# Altium PCB high-spped-thermocouple-logger-2ch.PcbDoc (part 3 of 3)
Units mm, origin at the board's own origin, x right, y up, seen from the top; angles counter-clockwise.
Board outline 200 x 100 mm, 4 copper layers (Top Layer, GND Layer, VCC Layer, Bottom Layer), stack 1.55 mm thick; 229 components, 201 nets, 660 pads, 226 vias.
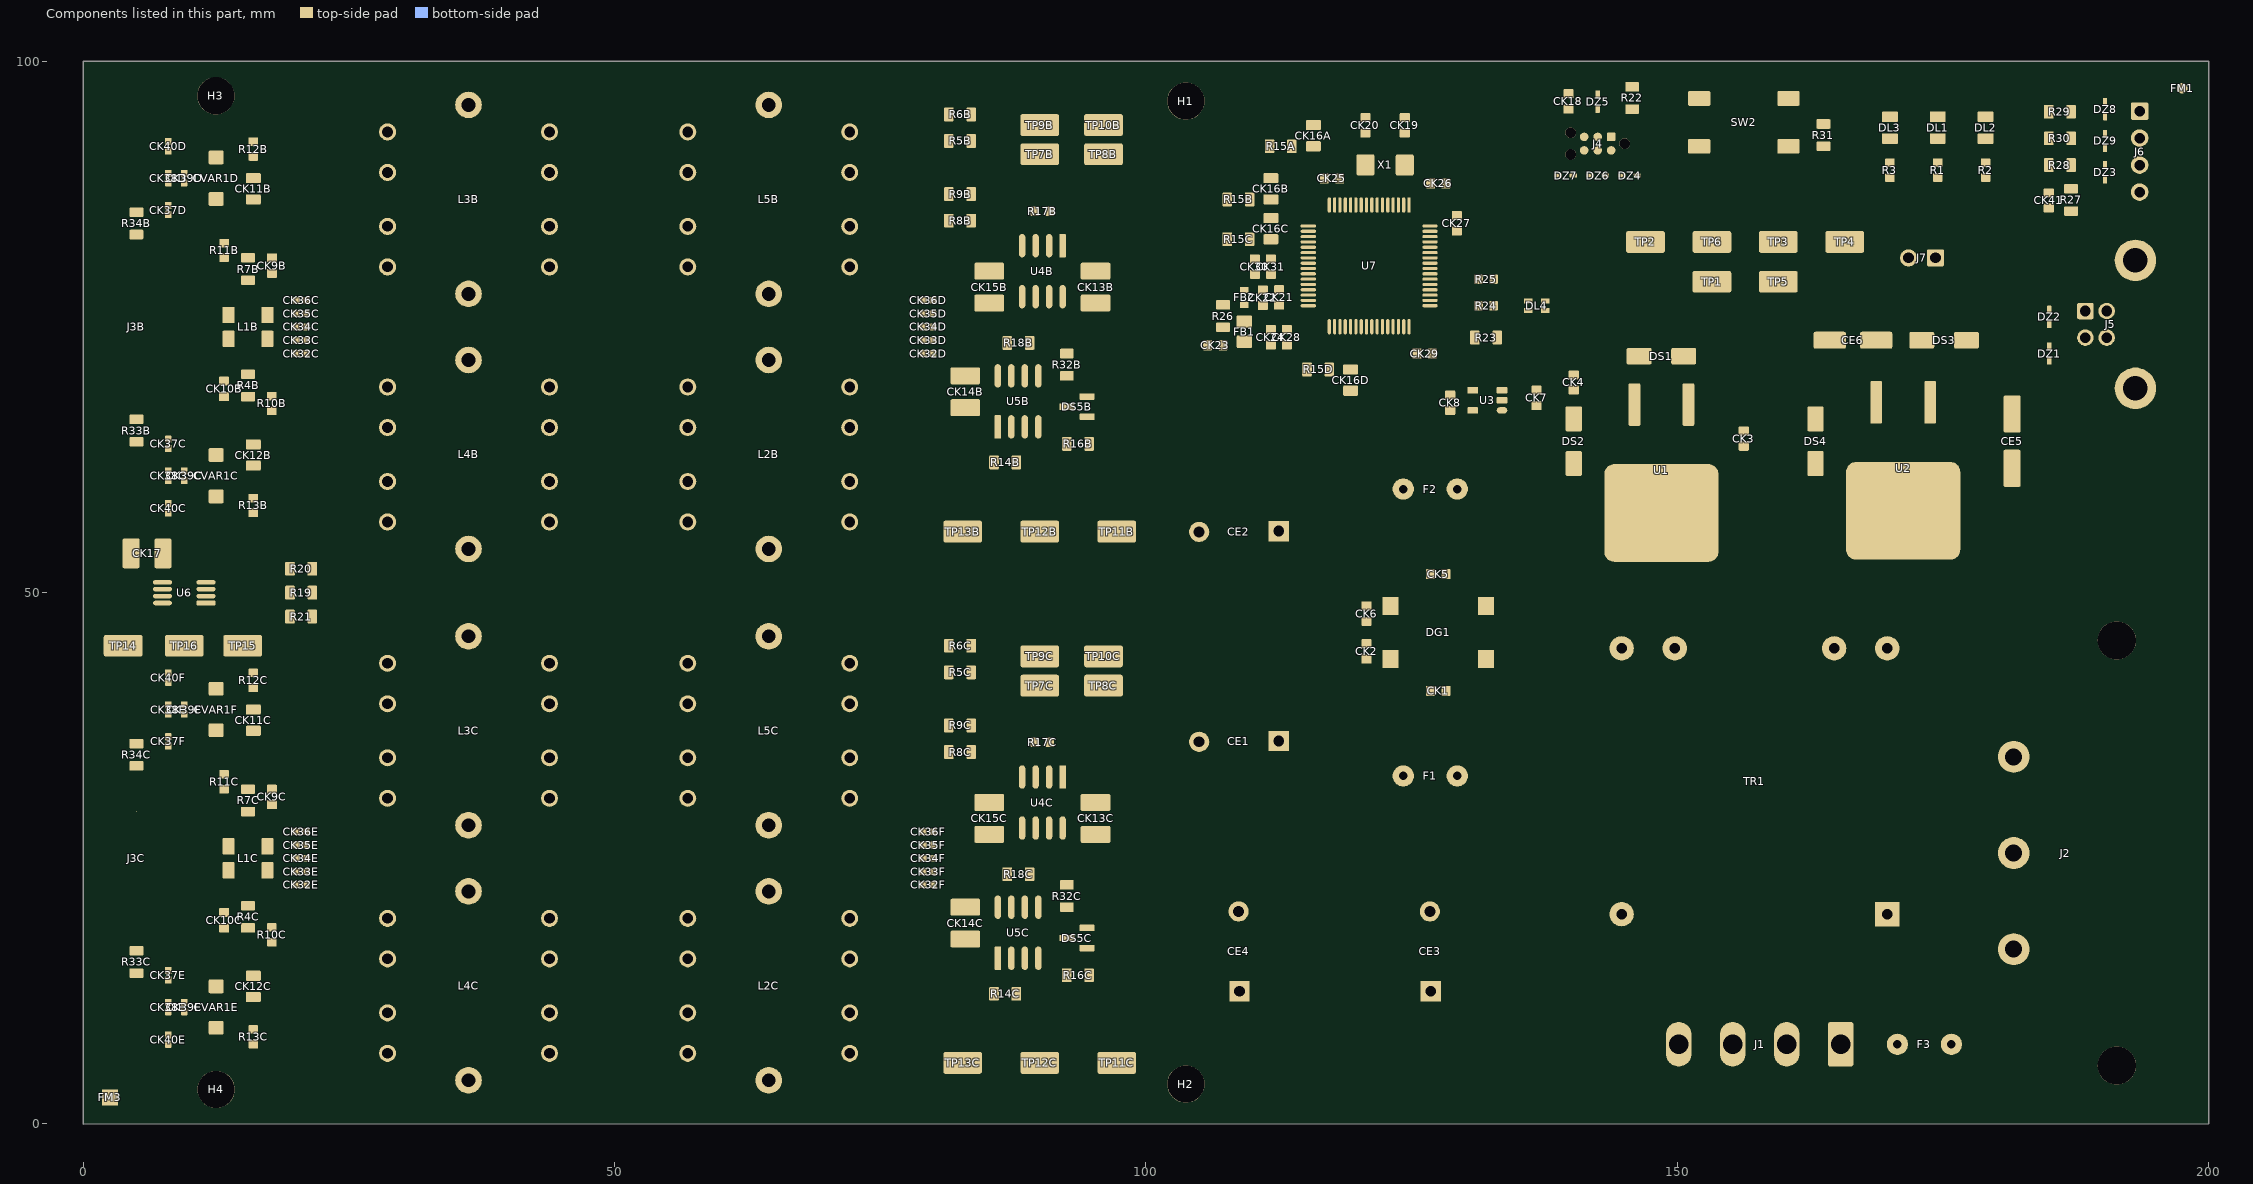
[diagram p5: the components of this part, seen from the top]

## Silkscreen, mask and mechanical layers (free items; w line width, h text height)
Top Silkscreen:
  text "Filters" at 89.918,97.5 h1
  text "Noise" at 80.251,96.5 h1
  text "+3.3V" at 168.201,96.1 h0.8
  text "+5V" at 173.434,96.1 h0.8
  text "-5V" at 177.934,96.1 h0.8
  text "Noise" at 87.751,95.5 h1
  text "1MHz" at 94.251,95.5 h1
  text "-" at 92.733,93.6 h0.8
  text "+" at 92.733,90.85 h0.8
  text "RESET" at 154.384,89.45 h0.8
  text "1MHz" at 80.751,89 h1
  text "+5V" at 145.934,84.6 h0.8
  text "+3.3V" at 151.451,84.6 h0.8
  text "GND" at 158.434,84.6 h0.8
  text "-5V" at 164.684,84.6 h0.8
  text "Rectifier" at 142.485,78.75 h1
  text "+" at 152.983,77.1 h0.8
  text "-" at 159.233,77.1 h0.8
  text "Channel 2" at 42.003,74 h2
  text "Amplifier signals" at 82.169,57.917 h1
  text "INA_REF" at 80.151,53.417 h0.8
  text "INA_OUT" at 87.401,53.417 h0.8
  text "OUT" at 96.184,53.35 h0.8
  text "Filters" at 89.918,47.5 h1
  text "Noise" at 80.251,46.5 h1
  text "Noise" at 87.751,45.5 h1
  text "1MHz" at 94.251,45.5 h1
  text "-" at 92.733,43.6 h0.8
  text "+" at 92.733,40.85 h0.8
  text "1MHz" at 80.751,39 h1
  text "Channel 3" at 42.003,24 h2
  text "Amplifier signals" at 82.169,7.917 h1
  text "INA_REF" at 80.151,3.417 h0.8
  text "INA_OUT" at 87.401,3.417 h0.8
  text "OUT" at 96.184,3.35 h0.8
  text "'.Project'-51'.Title''.Revision' / '.DrawnByID' .Date" at 112.611,2.154 h1
Panel Outline:
  the board outline again, w0.2

## Text inside footprints (layer, text, board x,y; h text height)
CE1: Top Silkscreen "+" at 115.303,35.022 h1.3 r180
CE2: Top Silkscreen "+" at 115.303,54.772 h1.3 r180
CE3: Top Silkscreen "+" at 125.772,9.697 h1.3 r90
CE4: Top Silkscreen "+" at 107.772,9.697 h1.3 r90
CE5: Top Silkscreen "1" at 179.5,68.25 h0.8 r270; Top Silkscreen "+" at 182.7,68.75 h0.8 r270
CE6: Top Silkscreen "1" at 163.026,71.75 h0.8; Top Silkscreen "+" at 162.626,74.95 h0.8
J2: PCB Info "PCB EDGE" at 199.5,20 h1.5 r90
J3B: Top Silkscreen "-" at 8,82.18 h1 r270; Top Silkscreen "+" at 8,68.5 h1 r270
J3C: Top Silkscreen "-" at 8,32.18 h1 r270; Top Silkscreen "+" at 8,18.5 h1 r270
LB1: Top Silkscreen "2D" at 137.8,5.15 h1.5; Desg Top SMD "2D" at 138,5.25 h1.2
S1: Top Silkscreen "B" at 106.055,66.737 h1.6 r45